# Altium PCB ALCT_MEZ_SPARTAN6T.PcbDoc (part 4 of 12) (continued)
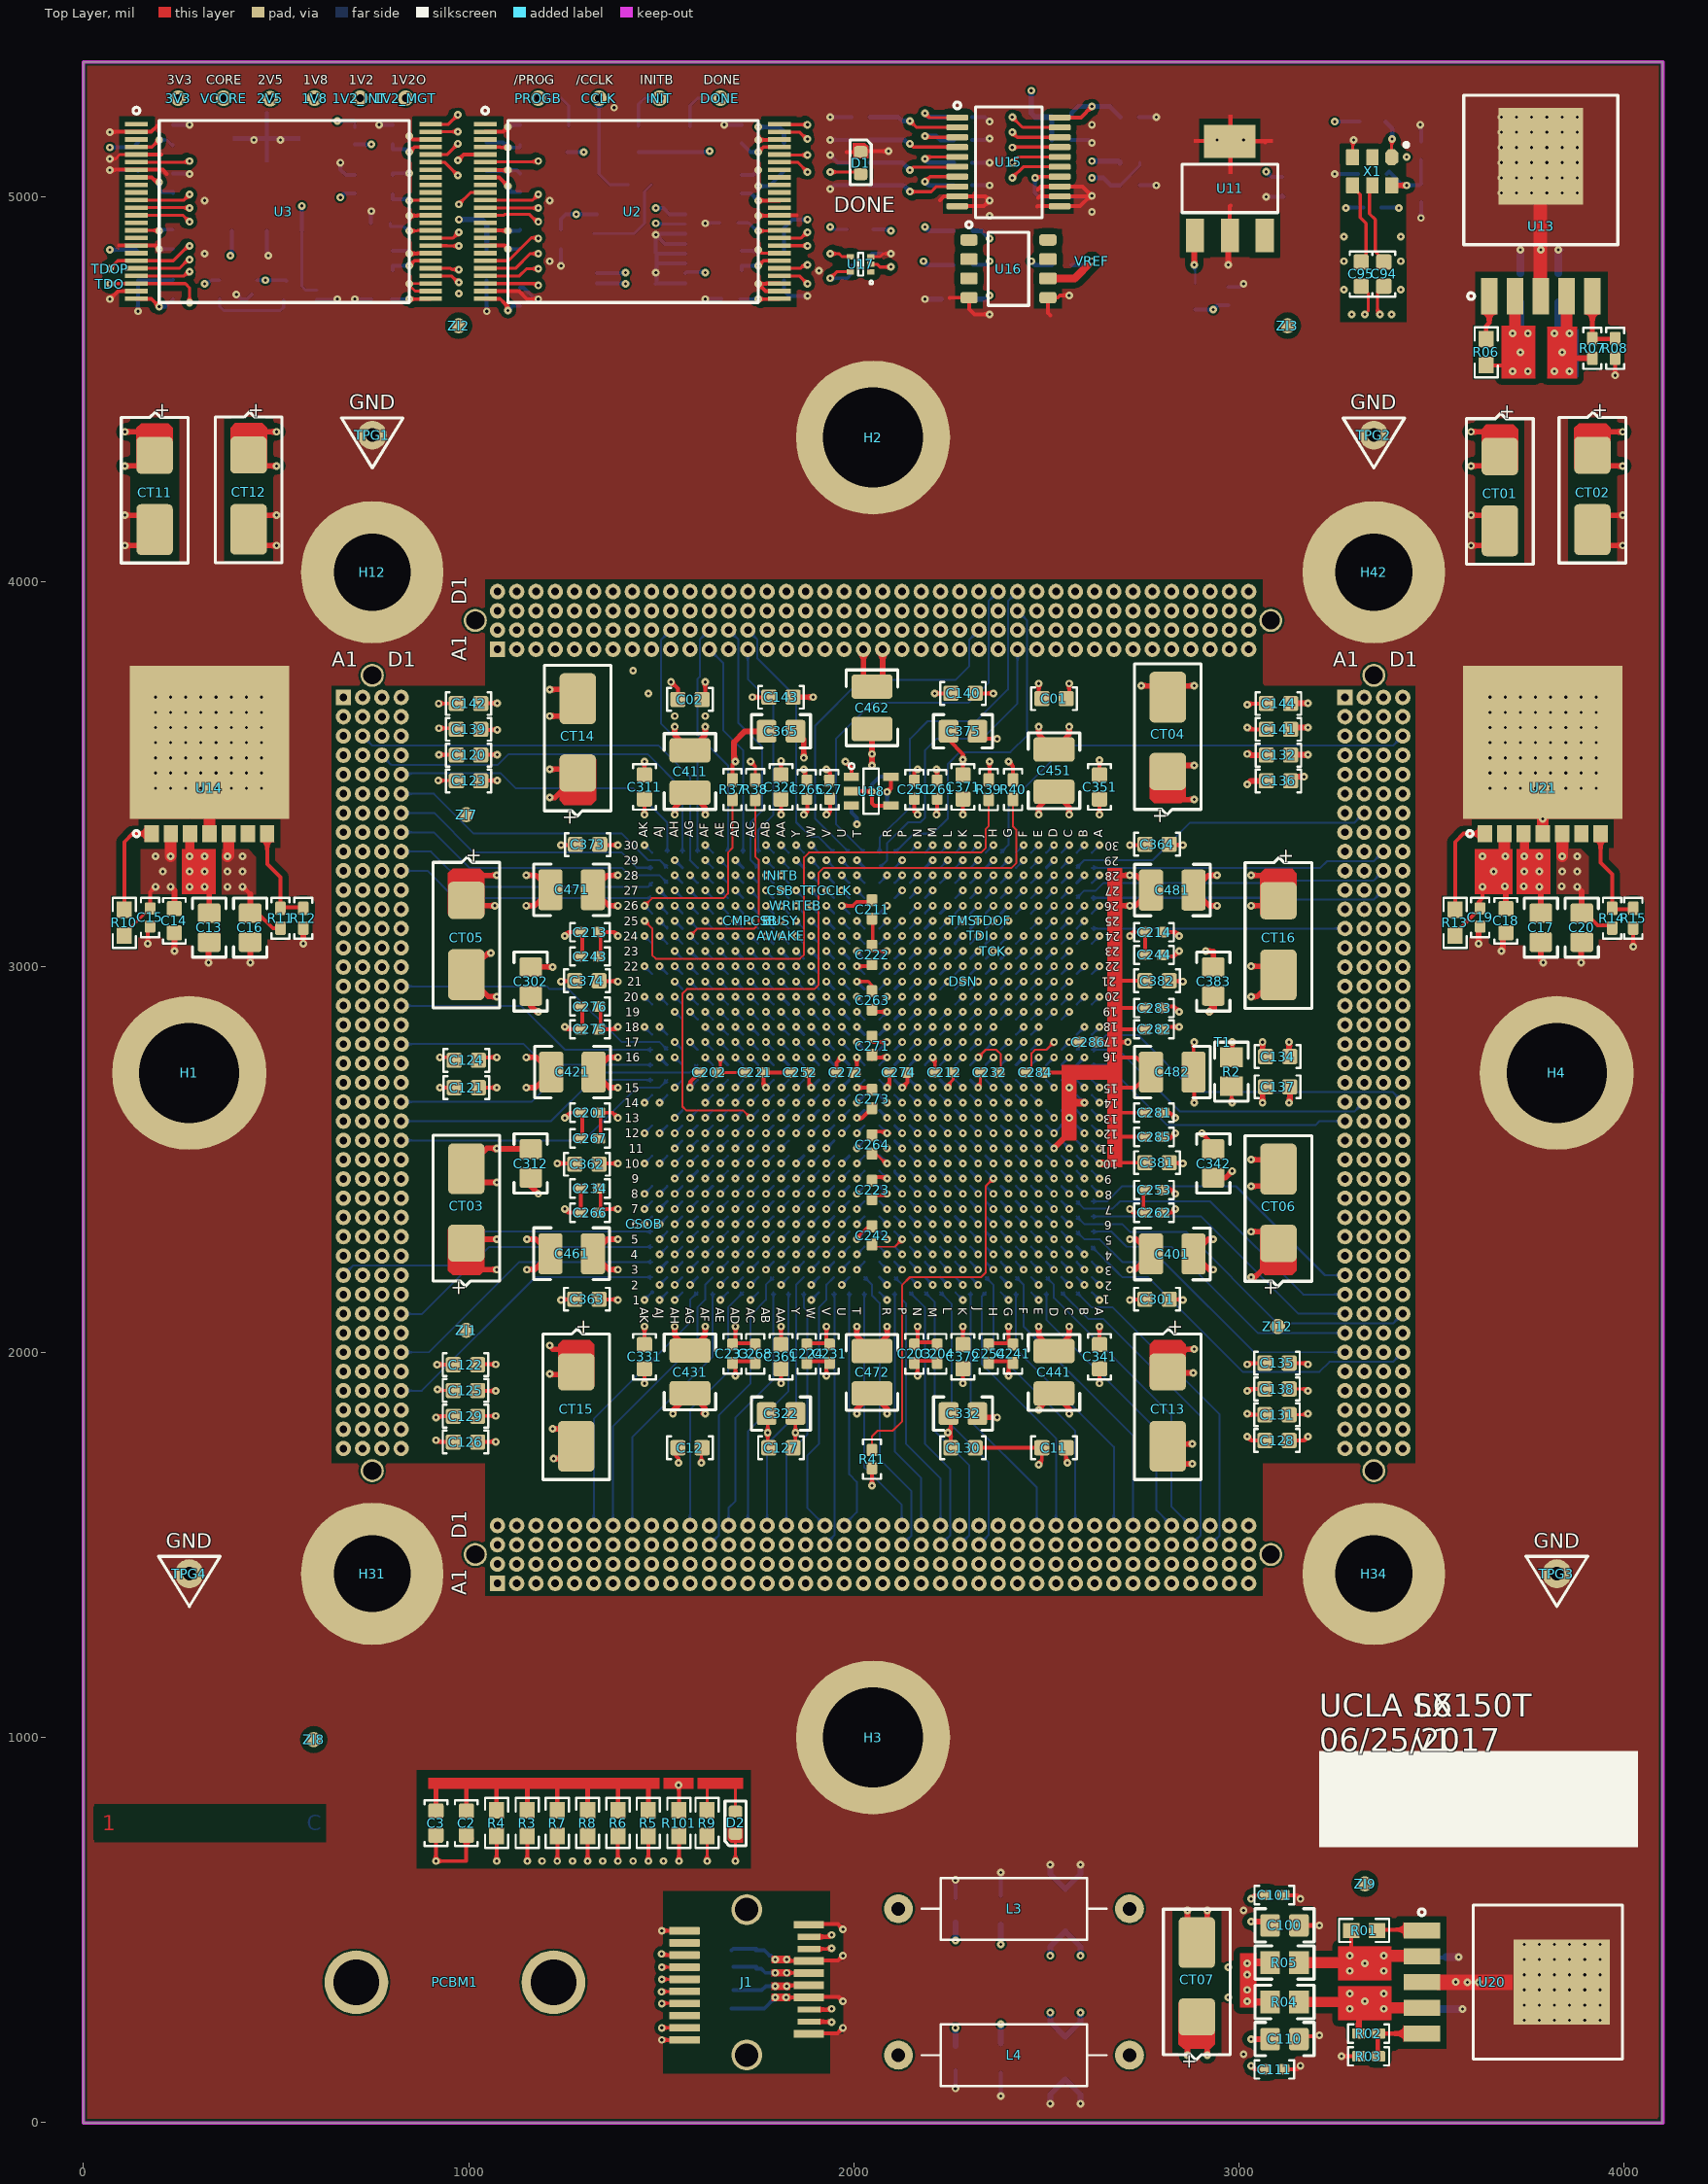
[diagram p0: Top Layer view]
## Nets (pads, with @x,y where several pads share a name; then routed paths per layer and width w, separated by ;. In a path a pad name is that pad's centre, name@x,y a point inside that pad or via, vN(x,y) a via of type N, cw(c..) or ccw(c..) an arc to the next point about the centre after c; other vN are vias at no path point) (continued)
  Bottom Layer w8: U1.F7@2421.26,2391.73 v1(2440.94,2372.04)
  Bottom Layer w10: v1(68.9,5068.9) 138.98,5068.9 C69.2@141.73,5066.14 ; v1(141.73,4702.76) C65.2@141.73,4766.93 ; C65.2@141.73,4782.68 230.31,4782.68 C50.2@232.28,4784.65 ; v1(196.85,4864.17) v1@198.82,4864.17 ; C48.2@232.28,4864.19 v1@198.82,4864.19 ; C41.2@232.28,5060.24 274.41,5060.24 v1(275.59,5059.06) ; C46.2@232.28,5186.99 C46.2@232.28,5186.22 274.8,5186.22 v1(275.59,5187.01) ; v1(397.36,4746.06) 409.09,4734.25 424.91,4734.25 C82.2@436.73,4746.08 ; U5.4@476.38,4911.42 476.38,4848.43 v1@482.28,4842.52 ; U6.3@606.3,4732.28 657.48,4732.28 v1(659.45,4734.25) v1@659.45,4740.46 ; v1(667.32,5088.58) 667.32,5070.87 681.89,5056.3 C81.2@704.72,5056.3 ; v1(704.72,4734.25) R43.1@748.03,4734.25 ; C47.2@746.07,4931.1 v1@746.07,4962.59 ; v1(767.72,5187.01) C44.2@803.15,5187.01 ; C42.2@803.15,4859.45 839.37,4859.45 v1(846.46,4852.36) ; C43.2@803.15,5057.07 803.15,5061.02 v1@842.52,5061.02 ; v1(1047.24,4702.76) C71.2@1047.24,4782.68 ; v1@1100.39,5066.93 1099.6,5066.14 C49.2@1047.24,5066.14 1050,5068.9 v1(1102.36,5068.9) 1125.2,5068.9 C61.2@1133.86,5060.24 ; v1(1102.36,4864.17) C68.2@1130.71,4864.17 ; v1(1102.36,5181.09) 1102.36,5185.04 1103.54,5186.22 C66.2@1133.86,5186.22 ; C70.2@1133.86,4763.78 1143.06,4763.78 1172.59,4734.25 v1(1181.1,4734.25) ; v1(1240.16,4820.87) C80.2@1240.16,4864.19 ; 1486.22,4773.62 1488.19,4775.59 ; 1488.2,4852.37 U4.5@1562.99,4852.37 ; U4.8@1562.99,4775.59 1488.19,4775.59 ; U4.6@1562.99,4826.77 1490.16,4826.77 1488.19,4824.8 ; U4.4@1562.99,4877.96 1509.84,4877.96 v1@1488.19,4899.61 ; U4.3@1562.99,4903.56 1492.14,4903.56 v1@1488.19,4899.61 ; v1(1614.17,4734.25) 1615.35,4735.43 R42.1@1655.51,4735.43 ; v1(1614.17,4931.1) 1615.35,4932.28 C67.2@1651.57,4932.28 ; v1(1663.39,5187.01) 1707.89,5187.01 C64.2@1708.66,5186.24 ; C116.2@1683.07,296.26 C115.2@1745.67,296.26 ; C106.2@1683.07,446.85 C106.2@1687.99,451.77 C105.2@1745.67,451.77 ; C62.2@1708.66,4859.45 1744.88,4859.45 v1@1751.97,4852.36 ; C63.2@1708.66,5056.3 1739.37,5056.3 v1(1751.97,5068.9) ; C115.2@1747.05,296.26 1767.72,296.26 v1(1796.26,324.8) ; C105.2@1747.05,451.77 C105.2@1745.67,451.77 ; v1@1748.03,5027.56 v1@1750,5029.53 ; v1(1751.97,5027.56) 1780.31,5027.56 C45.2@1818.9,5066.14 ; 1785.04,433.07 1781.58,433.07 1767.8,446.85 1745.67,446.85 C105.2@1745.67,451.77 ; C51.2@1818.9,4782.68 1818.9,4755.91 1832.68,4742.13 v1(1879.92,4742.13) ; v1(1938.98,5019.69) 1948.82,5029.53 C30.2@1994.09,5029.53 ; v1(1938.98,5108.27) 1958.66,5088.58 C26.2@1994.09,5088.58 ; v1(1938.98,5147.64) C24.2@1994.09,5147.64 ; v1(1938.98,5206.69) C22.2@1994.09,5206.69 ; C84.2@2041.34,4822.83 2041.34,4846.46 2047.24,4852.36 v1(2096.46,4852.36) ; U19.5@2086.61,3430.12 v1(2086.61,3454.72) ; v1(2263.78,88.58) C114.2@2263.78,135.83 ; C104.2@2263.78,582.68 v1(2263.78,629.92) ; C29.2@2307.09,5029.53 v1(2352.36,5029.53) ; C25.2@2307.09,5088.58 v1(2352.36,5088.58) ; C23.2@2307.09,5147.64 2348.43,5147.64 v1(2352.36,5151.57) ; C21.2@2307.09,5206.69 2340.55,5206.69 v1(2352.36,5194.88) ; v1(2381.89,68.9) C113.2@2381.89,129.92 ; C103.2@2381.89,588.58 v1(2381.89,649.61) ; C32.2@2562.99,5000 2616.14,5000 v1(2618.11,5001.97) ; R21.2@2564.96,5147.64 2610.24,5147.64 v1(2618.11,5139.76) ; C33.2@2740.16,5206.69 v1(2785.43,5206.69) ; R23.2@2742.13,5029.53 v1(2785.43,5029.53) ; C83.2@2972.44,4765.75 3003.94,4765.75 v1(3011.81,4773.62) ; v1(3070.87,5000) C28.2@3108.27,5000 ; v1(3248.03,5059.06) C90.2@3309.06,5059.06 ; v1(3277.56,4970.47) 3279.53,4972.44 C91.2@3322.83,4972.44 ; v1(3470.47,5187.01) 3472.44,5185.04 C92.2@3472.44,5143.7 ; v1(3472.44,4944.88) C93.2@3472.44,4986.22 ; C04.2@3519.68,298.03 C04.2@3522.72,295 ; C03.2@3519.68,427.95 3535,427.95 C03.2@3537.05,430 ; v1(3828.74,4862.2) v1@3838.58,4862.2 ; v1@198.82,4864.17 196.85,4866.14 197.83,4865.16 v1@198.82,4864.19 ; 1488.19,4775.59 1488.19,4824.8 ; 1488.19,4824.8 1488.19,4852.36 1486.22,4854.33 v1(1486.22,4901.57) v1@1488.19,4899.61 ; C28.2@3108.27,5000 3116.14,5000 C28.2@3112.2,5003.94 C28.2@3108.27,5000
  Bottom Layer w14: v1(2185.04,4734.25) C34.2@2226.38,4734.25
  Bottom Layer w15: v1(2509.84,49.21) 2509.84,72.83 2549.21,112.2 2588.58,72.83 v1(2588.58,49.21) ; v1(2509.84,669.29) 2509.84,645.67 C102.2@2549.21,606.3 2588.58,645.67 v1(2588.58,669.29)
  Bottom Layer w20: C04.2@3522.72,295 v1(3580,295) ; C03.2@3537.05,430 v1(3570,430) ; C05.2@3730.32,4801.18 v1(3730.31,4862.21) ; C1.2@3828.74,4801.18 v1(3828.74,4862.2)
  other v1: 3011.81,177.17 3740.16,265.75 3779.53,265.75 3818.9,265.75 3858.27,265.75 3897.64,265.75 3937.01,265.75 3740.16,305.12 3779.53,305.12 3818.9,305.12 3858.27,305.12 3897.64,305.12 3937.01,305.12 3740.16,344.49 3779.53,344.49 3818.9,344.49 3858.27,344.49 3897.64,344.49 3937.01,344.49 3592.52,364.17 3740.16,383.86 3779.53,383.86 3818.9,383.86 3858.27,383.86 3897.64,383.86 3937.01,383.86 1796.26,423.23 1825.79,423.23 3740.16,423.23 3779.53,423.23 3818.9,423.23 3858.27,423.23 3897.64,423.23 3937.01,423.23 3740.16,462.6 3779.53,462.6 3818.9,462.6 3858.27,462.6 3897.64,462.6 3937.01,462.6 3208.66,511.81 3011.81,551.18 1190.94,678.98 1269.68,678.98 1348.43,678.98 1427.17,678.98 1505.91,678.98 1545.28,875.98 2244.09,1791.34 1218.01,1801.18 1496.08,2844.48 1574.8,2923.23 3788.58,3385.04 187.01,3464.57 226.38,3464.57 265.75,3464.57 305.12,3464.57 344.49,3464.57 383.86,3464.57 423.23,3464.57 462.6,3464.57 3651.57,3464.57 3690.94,3464.57 3730.31,3464.57 3769.69,3464.57 3809.06,3464.57 3848.43,3464.57 3887.8,3464.57 3927.17,3464.57 187.01,3503.94 226.38,3503.94 265.75,3503.94 305.12,3503.94 344.49,3503.94 383.86,3503.94 423.23,3503.94 462.6,3503.94 3651.57,3503.94 3690.94,3503.94 3730.31,3503.94 3769.69,3503.94 3809.06,3503.94 3848.43,3503.94 3887.8,3503.94 3927.17,3503.94 187.01,3543.31 226.38,3543.31 265.75,3543.31 305.12,3543.31 344.49,3543.31 383.86,3543.31 423.23,3543.31 462.6,3543.31 3651.57,3543.31 3690.94,3543.31 3730.31,3543.31 3769.69,3543.31 3809.06,3543.31 3848.43,3543.31 3887.8,3543.31 3927.17,3543.31 3021.65,3553.15 187.01,3582.68 226.38,3582.68 265.75,3582.68 305.12,3582.68 344.49,3582.68 383.86,3582.68 423.23,3582.68 462.6,3582.68 3651.57,3582.68 3690.94,3582.68 3730.31,3582.68 3769.69,3582.68 3809.06,3582.68 3848.43,3582.68 3887.8,3582.68 3927.17,3582.68 187.01,3622.05 226.38,3622.05 265.75,3622.05 305.12,3622.05 344.49,3622.05 383.86,3622.05 423.23,3622.05 462.6,3622.05 3651.57,3622.05 3690.94,3622.05 3730.31,3622.05 3769.69,3622.05 3809.06,3622.05 3848.43,3622.05 3887.8,3622.05 3927.17,3622.05 187.01,3661.42 226.38,3661.42 265.75,3661.42 305.12,3661.42 344.49,3661.42 383.86,3661.42 423.23,3661.42 462.6,3661.42 3651.57,3661.42 3690.94,3661.42 3730.31,3661.42 3769.69,3661.42 3809.06,3661.42 3848.43,3661.42 3887.8,3661.42 3927.17,3661.42 187.01,3700.79 226.38,3700.79 265.75,3700.79 305.12,3700.79 344.49,3700.79 383.86,3700.79 423.23,3700.79 462.6,3700.79 3651.57,3700.79 3690.94,3700.79 3730.31,3700.79 3769.69,3700.79 3809.06,3700.79 3848.43,3700.79 3887.8,3700.79 3927.17,3700.79 3292.32,4694.88 3395.67,4694.88 974.41,4749.02 3272.64,4758.86 3420.28,4758.86 846.46,4773.62 1486.22,4803.15 1909.45,4808.07 1210.63,4832.68 3272.64,4832.68 3420.28,4832.68 480.31,4847.24 314.96,4852.36 3783.46,4862.2 3272.64,4896.65 3420.28,4896.65 1751.97,4950.79 2352.36,4950.79 2618.11,4960.63 748.03,4962.6 314.96,4990.16 1210.63,4990.16 3681.1,5009.84 3720.47,5009.84 3759.84,5009.84 3799.21,5009.84 3838.58,5009.84 3877.95,5009.84 3681.1,5049.21 3720.47,5049.21 3759.84,5049.21 3799.21,5049.21 3838.58,5049.21 3877.95,5049.21 846.46,5061.02 3681.1,5088.58 3720.47,5088.58 3759.84,5088.58 3799.21,5088.58 3838.58,5088.58 3877.95,5088.58 3681.1,5127.95 3720.47,5127.95 3759.84,5127.95 3799.21,5127.95 3838.58,5127.95 3877.95,5127.95 442.91,5147.64 511.81,5147.64 1751.97,5147.64 2942.91,5147.64 3011.81,5147.64 3681.1,5167.32 3720.47,5167.32 3759.84,5167.32 3799.21,5167.32 3838.58,5167.32 3877.95,5167.32 2618.11,5187.01 3681.1,5206.69 3720.47,5206.69 3759.84,5206.69 3799.21,5206.69 3838.58,5206.69 3877.95,5206.69 1377.95,5231.3
HSWAPEN: R41.1 U1.H9 | length 994.5
  Top Layer w5: R41.1@2047.24,1746.06 2047.24,1781.5 2062.01,1796.26 2101.38,1796.26 2125.98,1820.87 2125.98,2175.2 2145.67,2194.88 2330.74,2194.88 2342.52,2206.66 2342.52,2431.09 v1(2362.21,2450.78)
  Bottom Layer w6: U1.H9@2342.52,2470.47 v1(2362.21,2450.78)
INIT_B: INIT.1 R33.2 U1.AJ6 U2.11 U3.11 | length 6397.5
  Top Layer w8: U3.11@137.8,4991.34 257.09,4991.34 261.02,4991.34 v1(275.59,5005.91) ; U2.11@1043.31,4991.34 1166.54,4991.34 v1(1181.1,5005.91)
  Mid-Layer 5 w5: v1(275.59,5005.91) 386.01,5116.33 756.11,5116.33 828.57,5188.79 992.31,5188.79 1082.68,5098.43 1141.73,5098.43 1157.48,5082.68 1157.48,5029.53 v1(1181.1,5005.91) 1220.47,5045.28 1220.47,5246.06 1279.53,5305.12 1456.69,5305.12 1496.06,5265.75 v3(1496.06,5255.91)
  Mid-Layer 7 w5: v1(275.59,5005.91) 273.79,5005.91 256.09,4988.21 256.09,4887 21.5,4652.41 21.5,2350.55 97.05,2275 923.75,2275 925,2273.75
  Mid-Layer 7 w5.12: 925,2273.75 1437.13,2273.75 v1(1496.06,2332.68)
  Bottom Layer w6: v1@1496.08,2332.68 U1.AJ6@1515.75,2352.36
  Bottom Layer w8: R33.2@1440.94,5183.07 1440.94,5240.16 1456.69,5255.91 v3(1496.06,5255.91)
led1: U1.AA29 XP2.A25 | length 1094
  Mid-Layer 7 w5: v1(1811.02,3277.56) 1830.52,3297.06 1830.52,3609.05 1951.79,3730.32 2224.41,3730.32 2275,3780.91 XP2.A25@2275,3825 ; 2275,3792.4 ccw(c2242.41,3792.4) 2265.45,3815.45 cw(c2242.41,3792.41) 2275,3792.41 ; 2275,3792.4 cw(c2307.59,3792.4) 2284.55,3815.45 ccw(c2307.59,3792.41) 2275,3792.41 ; 2275,3804.48 ccw(c2254.48,3804.48) 2268.99,3818.99 cw(c2254.48,3804.48) 2275,3804.48 ; 2275,3804.48 cw(c2295.52,3804.48) 2281.01,3818.99 ccw(c2295.52,3804.48) 2275,3804.48
  Bottom Layer w6: v1(1811.02,3277.56) U1.AA29@1830.71,3257.87
led2: U1.U28 XP2.A26 | length 1072.2
  Mid-Layer 7 w5: v1(1968.52,3238.19) 1949,3257.7 1949,3573.02 2012.8,3636.81 2229.33,3636.81 2325,3732.48 XP2.A26@2325,3825 ; 2325,3792.4 ccw(c2292.41,3792.4) 2315.45,3815.45 cw(c2292.41,3792.41) 2325,3792.41 ; 2325,3792.4 cw(c2357.59,3792.4) 2334.55,3815.45 ccw(c2357.59,3792.41) 2325,3792.41 ; 2325,3804.48 ccw(c2304.48,3804.48) 2318.99,3818.99 cw(c2304.48,3804.48) 2325,3804.48 ; 2325,3804.48 cw(c2345.52,3804.48) 2331.01,3818.99 ccw(c2345.52,3804.48) 2325,3804.48
  Bottom Layer w6: v1(1968.52,3238.19) U1.U28@1988.19,3218.5
led3: U1.U29 XP2.A27 | length 1053.3
  Mid-Layer 7 w5: v1(1968.5,3277.55) 1988.37,3297.42 1988.37,3379.14 2002.95,3393.72 2002.95,3558.07 2047.24,3602.36 2281.51,3602.36 2381.7,3702.55 2381.7,3769.87 2375,3776.57 XP2.A27@2375,3825 ; 2375,3792.41 cw(c2407.59,3792.41) 2384.55,3815.46 ccw(c2407.59,3792.4) 2375,3792.4 ; 2375,3792.41 ccw(c2342.41,3792.41) 2365.45,3815.46 cw(c2342.41,3792.4) 2375,3792.4 ; 2375,3804.48 cw(c2395.52,3804.48) 2381.01,3818.99 ccw(c2395.52,3804.48) 2375,3804.48 ; 2375,3804.48 ccw(c2354.48,3804.48) 2368.99,3818.99 cw(c2354.48,3804.48) 2375,3804.48
  Bottom Layer w6: v1(1968.5,3277.55) U1.U29@1988.19,3257.87
led4: U1.R29 XP2.A28 | length 994.6
  Bottom Layer w5: U1.R29@2066.93,3257.87 2086.61,3277.56 2086.61,3321.85 2140.75,3375.98 2173.25,3375.98 2185.04,3387.78 2185.04,3562.99 2214.57,3592.52 2332.68,3592.52 2425,3684.84 XP2.A28@2425,3825 ; U1.R29@2066.93,3264.23 ccw(c2066.93,3279.58) 2077.78,3268.73 ccw(c2088.64,3257.87) U1.R29@2073.29,3257.87 ; 2425,3792.4 ccw(c2392.41,3792.4) 2415.45,3815.45 cw(c2392.41,3792.41) 2425,3792.41 ; 2425,3792.4 cw(c2457.59,3792.4) 2434.55,3815.45 ccw(c2457.59,3792.41) 2425,3792.41 ; 2425,3804.48 ccw(c2404.48,3804.48) 2418.99,3818.99 cw(c2404.48,3804.48) 2425,3804.48 ; 2425,3804.48 cw(c2445.52,3804.48) 2431.01,3818.99 ccw(c2445.52,3804.48) 2425,3804.48
led5: U1.AA30 XP2.B25 | length 1131.8
  Mid-Layer 7 w5: v1(1811.02,3316.93) 1791.52,3336.43 1791.52,3641.92 1924.21,3774.61 2215.55,3774.61 2250,3809.06 2250,3850 XP2.B25@2275,3875 ; 2251.95,3851.95 ccw(c2228.91,3875) 2261.5,3875 cw(c2228.91,3875) 2251.96,3851.96 ; 2251.95,3851.95 cw(c2275,3828.91) 2275,3861.5 ccw(c2275,3828.91) 2251.96,3851.96 ; 2260.49,3860.49 ccw(c2245.98,3875) 2266.5,3875 cw(c2245.98,3875) 2260.49,3860.49 ; 2260.49,3860.49 cw(c2275,3845.98) 2275,3866.5 ccw(c2275,3845.98) 2260.49,3860.49
  Bottom Layer w6: v1(1811.02,3316.93) U1.AA30@1830.71,3297.24
led6: U1.U30 XP2.B26 | length 1125.8
  Bottom Layer w5: U1.U30@1981.83,3297.24 ccw(c1966.48,3297.24) 1977.33,3308.1 ccw(c1988.19,3318.95) U1.U30@1988.19,3303.6 ; U1.U30@1988.19,3297.24 1899.61,3385.83 1899.61,3626.97 2017.72,3745.08 2263.78,3745.08 2300,3781.3 2300,3850 XP2.B26@2325,3875 ; 2301.95,3851.95 ccw(c2278.91,3875) 2311.5,3875 cw(c2278.91,3875) 2301.96,3851.96 ; 2301.95,3851.95 cw(c2325,3828.9) 2325,3861.5 ccw(c2325,3828.91) 2301.96,3851.96 ; 2310.49,3860.49 ccw(c2295.98,3875) 2316.5,3875 cw(c2295.98,3875) 2310.49,3860.49 ; 2310.49,3860.49 cw(c2325,3845.98) 2325,3866.5 ccw(c2325,3845.98) 2310.49,3860.49
led7: U1.N27 XP2.B27 | length 973.9
  Mid-Layer 4 w5: v1(2165.36,3198.81) 2185.18,3218.63 2212.74,3218.63 2224.53,3230.42 2224.53,3376.04 2234.31,3385.83 2234.31,3631.95 2350,3747.64 2350,3850 XP2.B27@2375,3875 ; 2351.95,3851.95 ccw(c2328.91,3875) 2361.5,3875 cw(c2328.91,3875) 2351.96,3851.96 ; 2351.95,3851.95 cw(c2375,3828.91) 2375,3861.5 ccw(c2375,3828.91) 2351.96,3851.96 ; 2360.49,3860.49 ccw(c2345.98,3875) 2366.5,3875 cw(c2345.98,3875) 2360.49,3860.49 ; 2360.49,3860.49 cw(c2375,3845.98) 2375,3866.5 ccw(c2375,3845.98) 2360.49,3860.49
  Bottom Layer w6: U1.N27@2145.68,3179.13 v1(2165.36,3198.81)
led8: U1.T27 XP2.B28 | length 1182
  Mid-Layer 1 w5: v1(2007.88,3198.81) 2057.09,3248.03 2057.09,3430.12 2066.93,3439.96 2066.93,3622.05 2135.83,3690.94 2372.05,3690.94 2400,3718.9 2400,3850 XP2.B28@2425,3875 ; 2401.95,3851.95 ccw(c2378.91,3875) 2411.5,3875 cw(c2378.91,3875) 2401.96,3851.96 ; 2401.95,3851.95 cw(c2425,3828.91) 2425,3861.5 ccw(c2425,3828.91) 2401.96,3851.96 ; 2410.49,3860.49 ccw(c2395.98,3875) 2416.5,3875 cw(c2395.98,3875) 2410.49,3860.49 ; 2410.49,3860.49 cw(c2425,3845.98) 2425,3866.5 ccw(c2425,3845.98) 2410.49,3860.49
  Bottom Layer w6: v1(2007.88,3198.81) U1.T27@2027.56,3179.13
led9: U1.R28 XP2.B29 | length 1142.3
  Mid-Layer 1 w5: v1(2086.62,3238.19) 2086.62,3415.36 2116.14,3444.88 2116.14,3612.2 2165.35,3661.42 2421.26,3661.42 2450,3690.16 2450,3850 XP2.B29@2475,3875 ; 2451.95,3851.95 ccw(c2428.91,3875) 2461.5,3875 cw(c2428.91,3875) 2451.96,3851.96 ; 2451.95,3851.95 cw(c2475,3828.91) 2475,3861.5 ccw(c2475,3828.91) 2451.96,3851.96 ; 2460.49,3860.49 ccw(c2445.98,3875) 2466.5,3875 cw(c2445.98,3875) 2460.49,3860.49 ; 2460.49,3860.49 cw(c2475,3845.98) 2475,3866.5 ccw(c2475,3845.98) 2460.49,3860.49
  Bottom Layer w6: U1.R28@2066.93,3218.5 v1(2086.62,3238.19)
led10: U1.G25 XP2.B30 | length 1104.9
  Mid-Layer 2 w5: v1(2401.58,3120.06) 2382.08,3100.56 2354.13,3100.56 2342.7,3111.99 2342.7,3327.14 2421.07,3405.51 2421.07,3641.73 2500.5,3721.16 2500.5,3850.5 XP2.B30@2525,3875 ; 2501.95,3851.95 ccw(c2478.91,3875) 2511.5,3875 cw(c2478.91,3875) 2501.96,3851.96 ; 2501.95,3851.95 cw(c2525,3828.91) 2525,3861.5 ccw(c2525,3828.91) 2501.96,3851.96 ; 2510.49,3860.49 ccw(c2495.98,3875) 2516.5,3875 cw(c2495.98,3875) 2510.49,3860.49 ; 2510.49,3860.49 cw(c2525,3845.98) 2525,3866.5 ccw(c2525,3845.98) 2510.49,3860.49
  Bottom Layer w6: U1.G25@2381.89,3100.39 v1(2401.58,3120.06)
led11: U1.Y30 XP2.C25 | length 1134.8
  Mid-Layer 7 w5: v1(1850.39,3316.93) 1894.68,3361.22 1894.68,3582.68 1973.43,3661.42 2204.72,3661.42 2300,3756.69 2300,3900 XP2.C25@2275,3925 ; 2289.51,3910.49 ccw(c2275,3895.98) 2275,3916.5 cw(c2275,3895.98) 2289.51,3910.49 ; 2289.51,3910.49 cw(c2304.02,3925) 2283.5,3925 ccw(c2304.02,3925) 2289.51,3910.49 ; 2298.05,3901.95 ccw(c2275,3878.91) 2275,3911.5 cw(c2275,3878.91) 2298.04,3901.96 ; 2298.05,3901.95 cw(c2321.09,3925) 2288.5,3925 ccw(c2321.09,3925) 2298.04,3901.96
  Bottom Layer w6: v1(1850.39,3316.93) U1.Y30@1870.08,3297.24
led12: U1.U27 XP2.C26 | length 1183.9
  Mid-Layer 1 w5: v1(1968.51,3198.81) 1988.19,3218.49 1988.19,3505.89 1997.85,3515.54 1997.85,3661.23 2091.54,3754.92 2288.39,3754.92 2300,3766.54 2300,3900 XP2.C26@2325,3925 ; 2301.95,3901.95 ccw(c2278.91,3925) 2311.5,3925 cw(c2278.91,3925) 2301.96,3901.96 ; 2301.95,3901.95 cw(c2325,3878.91) 2325,3911.5 ccw(c2325,3878.91) 2301.96,3901.96 ; 2310.49,3910.49 ccw(c2295.98,3925) 2316.5,3925 cw(c2295.98,3925) 2310.49,3910.49 ; 2310.49,3910.49 cw(c2325,3895.98) 2325,3916.5 ccw(c2325,3895.98) 2310.49,3910.49
  Bottom Layer w6: v1(1968.51,3198.81) U1.U27@1988.19,3179.13
led13: U1.T28 XP2.C27 | length 1154.6
  Mid-Layer 1 w5: v1(2007.88,3238.19) 2027.49,3257.79 2027.49,3641.66 2116.14,3730.32 2322.83,3730.32 2350,3757.48 2350,3900 XP2.C27@2375,3925 ; 2351.95,3901.95 ccw(c2328.91,3925) 2361.5,3925 cw(c2328.91,3925) 2351.96,3901.96 ; 2351.95,3901.95 cw(c2375,3878.91) 2375,3911.5 ccw(c2375,3878.91) 2351.96,3901.96 ; 2360.49,3910.49 ccw(c2345.98,3925) 2366.5,3925 cw(c2345.98,3925) 2360.49,3910.49 ; 2360.49,3910.49 cw(c2375,3895.98) 2375,3916.5 ccw(c2375,3895.98) 2360.49,3910.49
  Bottom Layer w6: v1(2007.88,3238.19) U1.T28@2027.56,3218.5
led14: U1.P30 XP2.C28 | length 1075.1
  Bottom Layer w5: 2204.72,3346.46 2244.09,3385.83 2244.09,3526.59 2275.39,3557.89 2406.31,3557.89 2450,3601.57 2450,3900 XP2.C28@2425,3925 ; 2439.51,3910.49 ccw(c2425,3895.98) 2425,3916.5 cw(c2425,3895.98) 2439.51,3910.49 ; 2439.51,3910.49 cw(c2454.02,3925) 2433.5,3925 ccw(c2454.02,3925) 2439.51,3910.49 ; 2448.05,3901.95 ccw(c2425,3878.9) 2425,3911.5 cw(c2425,3878.91) 2448.04,3901.96 ; 2448.05,3901.95 cw(c2471.09,3925) 2438.5,3925 ccw(c2471.09,3925) 2448.04,3901.96
  Bottom Layer w6: U1.P30@2106.3,3297.24 2155.51,3346.46 2204.72,3346.46 ; U1.P30@2106.3,3303.1 ccw(c2106.3,3317.24) 2116.3,3307.24 ; U1.P30@2112.16,3297.24 cw(c2126.3,3297.24) 2116.3,3307.24
led15: U1.P28 XP2.C29 | length 1219.3
  Mid-Layer 1 w5: v1(2125.99,3238.19) 2145.83,3258.03 2145.83,3336.77 2195.07,3386.01 2195.07,3553.33 2253.75,3612.02 2464.73,3612.02 2472.24,3604.52 2488.39,3604.52 2529.53,3645.65 2529.53,3769.68 2500,3799.21 2500,3900 XP2.C29@2475,3925 ; 2489.51,3910.49 ccw(c2475,3895.98) 2475,3916.5 cw(c2475,3895.98) 2489.51,3910.49 ; 2489.51,3910.49 cw(c2504.02,3925) 2483.5,3925 ccw(c2504.02,3925) 2489.51,3910.49 ; 2498.05,3901.95 ccw(c2475,3878.91) 2475,3911.5 cw(c2475,3878.91) 2498.04,3901.96 ; 2498.05,3901.95 cw(c2521.09,3925) 2488.5,3925 ccw(c2521.09,3925) 2498.04,3901.96
  Bottom Layer w6: U1.P28@2106.3,3218.5 v1(2125.99,3238.19)
led16: U1.P27 XP2.D25 | length 1032.6
  Mid-Layer 4 w5: v1(2125.99,3198.81) 2145.49,3218.3 2145.49,3690.76 2250,3795.28 2250,3950 XP2.D25@2275,3975 ; 2251.95,3951.95 ccw(c2228.91,3975) 2261.5,3975 cw(c2228.91,3975) 2251.96,3951.96 ; 2251.95,3951.95 cw(c2275,3928.91) 2275,3961.5 ccw(c2275,3928.91) 2251.96,3951.96 ; 2260.49,3960.49 ccw(c2245.98,3975) 2266.5,3975 cw(c2245.98,3975) 2260.49,3960.49 ; 2260.49,3960.49 cw(c2275,3945.98) 2275,3966.5 ccw(c2275,3945.98) 2260.49,3960.49
  Bottom Layer w6: U1.P27@2106.3,3179.13 v1(2125.99,3198.81)
led17: U1.N28 XP2.D26 | length 997.6
  Mid-Layer 4 w5: v1(2165.35,3238.19) 2185.04,3257.87 2185.04,3658.45 2300,3773.41 2300,3950 XP2.D26@2325,3975 ; 2301.95,3951.95 ccw(c2278.91,3975) 2311.5,3975 cw(c2278.91,3975) 2301.96,3951.96 ; 2301.95,3951.95 cw(c2325,3928.91) 2325,3961.5 ccw(c2325,3928.91) 2301.96,3951.96 ; 2310.49,3960.49 ccw(c2295.98,3975) 2316.5,3975 cw(c2295.98,3975) 2310.49,3960.49 ; 2310.49,3960.49 cw(c2325,3945.98) 2325,3966.5 ccw(c2325,3945.98) 2310.49,3960.49
  Bottom Layer w6: U1.N28@2145.68,3218.51 v1(2165.35,3238.19)
led18: U1.T30 XP2.D27 | length 1220.8
  Bottom Layer w5: U1.T30@2021.2,3297.24 ccw(c2005.85,3297.24) 2016.7,3308.1 ccw(c2027.56,3318.95) U1.T30@2027.56,3303.6 ; U1.T30@2027.56,3297.24 1953.74,3371.06 1953.74,3375.98 1953.74,3592.52 2047.24,3686.02 2298.23,3686.02 2350,3737.8 2350,3950 XP2.D27@2375,3975 ; 2351.95,3951.95 ccw(c2328.91,3975) 2361.5,3975 cw(c2328.91,3975) 2351.96,3951.96 ; 2351.95,3951.95 cw(c2375,3928.9) 2375,3961.5 ccw(c2375,3928.91) 2351.96,3951.96 ; 2360.49,3960.49 ccw(c2345.98,3975) 2366.5,3975 cw(c2345.98,3975) 2360.49,3960.49 ; 2360.49,3960.49 cw(c2375,3945.98) 2375,3966.5 ccw(c2375,3945.98) 2360.49,3960.49
led19: U1.R30 XP2.D28 | length 1090.9
  Bottom Layer w5: U1.R30@2062.43,3301.74 ccw(c2051.58,3312.59) 2066.93,3312.59 ccw(c2082.28,3312.59) U1.R30@2071.43,3301.74 ; U1.R30@2066.93,3297.24 2066.93,3335.63 2145.85,3414.56 2145.85,3592.7 2191.03,3637.88 2317.03,3637.88 2400,3720.85 2400,3950 XP2.D28@2425,3975 ; 2401.95,3951.95 ccw(c2378.91,3975) 2411.5,3975 cw(c2378.91,3975) 2401.96,3951.96 ; 2401.95,3951.95 cw(c2425,3928.9) 2425,3961.5 ccw(c2425,3928.91) 2401.96,3951.96 ; 2410.49,3960.49 ccw(c2395.98,3975) 2416.5,3975 cw(c2395.98,3975) 2410.49,3960.49 ; 2410.49,3960.49 cw(c2425,3945.98) 2425,3966.5 ccw(c2425,3945.98) 2410.49,3960.49
led20: U1.N30 XP2.D29 | length 1179.2
  Mid-Layer 7 w5: v1(2165.35,3316.93) 2145.85,3336.43 2145.85,3474.59 2165.35,3494.09 2440.94,3494.09 2499.82,3552.96 2499.82,3950.18 XP2.D29@2475,3975 ; 2489.51,3960.49 ccw(c2475,3945.98) 2475,3966.5 cw(c2475,3945.98) 2489.51,3960.49 ; 2489.51,3960.49 cw(c2504.02,3975) 2483.5,3975 ccw(c2504.02,3975) 2489.51,3960.49 ; 2498.05,3951.95 ccw(c2475,3928.91) 2475,3961.5 cw(c2475,3928.91) 2498.04,3951.96 ; 2498.05,3951.95 cw(c2521.09,3975) 2488.5,3975 ccw(c2521.09,3975) 2498.04,3951.96
  Bottom Layer w6: U1.N30@2145.67,3297.24 v1(2165.35,3316.93)
M0: R37.1 U1.AK26 | length 507.2
  Top Layer w5: v1(1456.69,3159.45) 1476.19,3178.95 1661.27,3178.95 1673.23,3190.9 1673.23,3297.24 1685.04,3309.06 R37.1@1685.04,3435.04
  Bottom Layer w6: v1@1455.36,3158.12 1458.03,3158.12 U1.AK26@1476.38,3139.76
M1: R38.1 U1.AG24 | length 545.7
  Top Layer w5: v1(1574.81,3080.7) 1593.68,3099.56 1740.78,3099.56 1752.79,3111.57 1752.79,3278.7 1744.09,3287.4 R38.1@1744.09,3435.04
  Bottom Layer w6: v1(1574.81,3080.7) U1.AG24@1594.49,3061.02